# Altium PCB 10515.0501_主板(8拼版)_V1.0-20200907.PcbDoc (part 1 of 6) (continued)
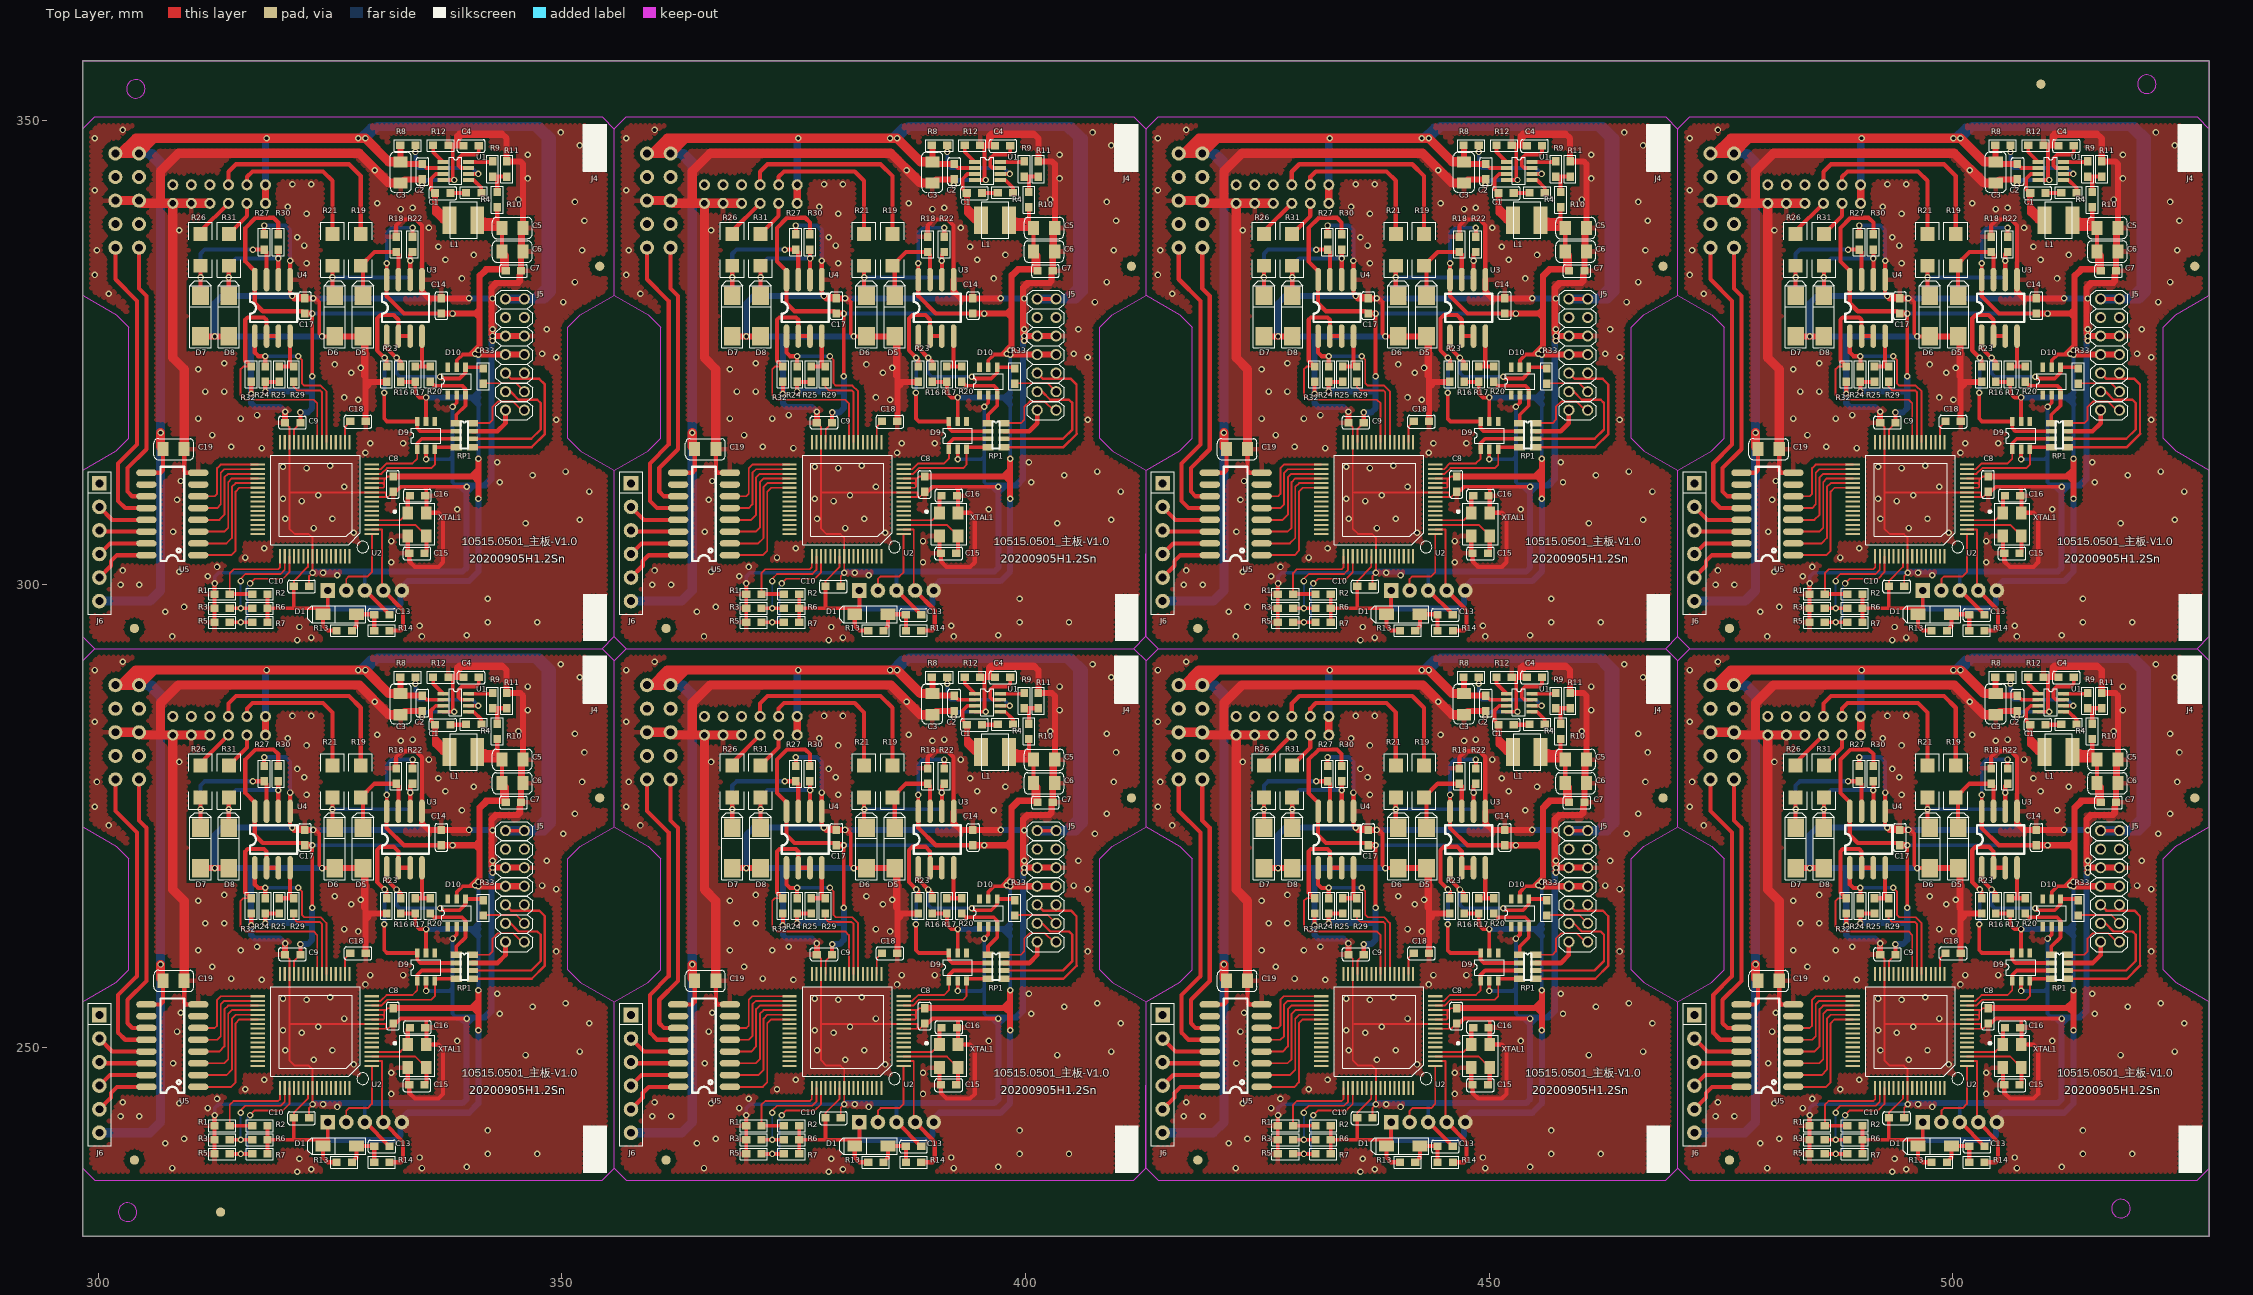
[diagram p0: Top Layer view]
## Components (designator, comment, footprint, x,y, rotation, side; value= is the part's Value field where it differs from the comment) (continued)
J6 "1X6PIN" CON/DIP/1×6PIN/2.0MM 300.101,310.89 r270 top
J6 "1X6PIN" CON/DIP/1×6PIN/2.0MM 357.451,310.89 r270 top
J6 "1X6PIN" CON/DIP/1×6PIN/2.0MM 414.801,310.89 r270 top
J6 "1X6PIN" CON/DIP/1×6PIN/2.0MM 472.151,310.89 r270 top
J6 "1X6PIN" CON/DIP/1×6PIN/2.0MM 300.101,253.54 r270 top
J6 "1X6PIN" CON/DIP/1×6PIN/2.0MM 357.451,253.54 r270 top
J6 "1X6PIN" CON/DIP/1×6PIN/2.0MM 414.801,253.54 r270 top
J6 "1X6PIN" CON/DIP/1×6PIN/2.0MM 472.151,253.54 r270 top
J7 "1X2PIN_2.54MM" CON/DIP/1×2PIN/2.54MM 353.568,295.142 r0 bottom
J7 "1X2PIN_2.54MM" CON/DIP/1×2PIN/2.54MM 410.918,295.142 r0 bottom
J7 "1X2PIN_2.54MM" CON/DIP/1×2PIN/2.54MM 468.268,295.142 r0 bottom
J7 "1X2PIN_2.54MM" CON/DIP/1×2PIN/2.54MM 525.618,295.142 r0 bottom
J7 "1X2PIN_2.54MM" CON/DIP/1×2PIN/2.54MM 353.568,237.792 r0 bottom
J7 "1X2PIN_2.54MM" CON/DIP/1×2PIN/2.54MM 410.918,237.792 r0 bottom
J7 "1X2PIN_2.54MM" CON/DIP/1×2PIN/2.54MM 468.268,237.792 r0 bottom
J7 "1X2PIN_2.54MM" CON/DIP/1×2PIN/2.54MM 525.618,237.792 r0 bottom
L1 "6.8UH" L/SMT/SWPA3015S150MT 337.693,339.211 r0 top
L1 "6.8UH" L/SMT/SWPA3015S150MT 395.043,339.211 r0 top
L1 "6.8UH" L/SMT/SWPA3015S150MT 452.393,339.211 r0 top
L1 "6.8UH" L/SMT/SWPA3015S150MT 509.743,339.211 r0 top
L1 "6.8UH" L/SMT/SWPA3015S150MT 337.693,281.861 r0 top
L1 "6.8UH" L/SMT/SWPA3015S150MT 395.043,281.861 r0 top
L1 "6.8UH" L/SMT/SWPA3015S150MT 452.393,281.861 r0 top
L1 "6.8UH" L/SMT/SWPA3015S150MT 509.743,281.861 r0 top
R1 "NC" 0603R 313.347,298.952 r0 top
R1 "NC" 0603R 370.697,298.952 r0 top
R1 "NC" 0603R 428.047,298.952 r0 top
R1 "NC" 0603R 485.397,298.952 r0 top
R1 "NC" 0603R 313.347,241.602 r0 top
R1 "NC" 0603R 370.697,241.602 r0 top
R1 "NC" 0603R 428.047,241.602 r0 top
R1 "NC" 0603R 485.397,241.602 r0 top
R2 "NC" 0603R 317.411,298.952 r0 top
R2 "NC" 0603R 374.761,298.952 r0 top
R2 "NC" 0603R 432.111,298.952 r0 top
R2 "NC" 0603R 489.461,298.952 r0 top
R2 "NC" 0603R 317.411,241.602 r0 top
R2 "NC" 0603R 374.761,241.602 r0 top
R2 "NC" 0603R 432.111,241.602 r0 top
R2 "NC" 0603R 489.461,241.602 r0 top
R3 "NC" 0603R 313.347,297.428 r0 top
R3 "NC" 0603R 370.697,297.428 r0 top
R3 "NC" 0603R 428.047,297.428 r0 top
R3 "NC" 0603R 485.397,297.428 r0 top
R3 "NC" 0603R 313.347,240.078 r0 top
R3 "NC" 0603R 370.697,240.078 r0 top
R3 "NC" 0603R 428.047,240.078 r0 top
R3 "NC" 0603R 485.397,240.078 r0 top
R4 "20R/0603" 0603R 340.487,342.259 r0 top
R4 "20R/0603" 0603R 397.837,342.259 r0 top
R4 "20R/0603" 0603R 455.187,342.259 r0 top
R4 "20R/0603" 0603R 512.537,342.259 r0 top
R4 "20R/0603" 0603R 340.487,284.909 r0 top
R4 "20R/0603" 0603R 397.837,284.909 r0 top
R4 "20R/0603" 0603R 455.187,284.909 r0 top
R4 "20R/0603" 0603R 512.537,284.909 r0 top
R5 "NC" 0603R 313.347,295.904 r0 top
R5 "NC" 0603R 370.697,295.904 r0 top
R5 "NC" 0603R 428.047,295.904 r0 top
R5 "NC" 0603R 485.397,295.904 r0 top
R5 "NC" 0603R 313.347,238.554 r0 top
R5 "NC" 0603R 370.697,238.554 r0 top
R5 "NC" 0603R 428.047,238.554 r0 top
R5 "NC" 0603R 485.397,238.554 r0 top
R6 "NC" 0603R 317.411,297.428 r0 top
R6 "NC" 0603R 374.761,297.428 r0 top
R6 "NC" 0603R 432.111,297.428 r0 top
R6 "NC" 0603R 489.461,297.428 r0 top
R6 "NC" 0603R 317.411,240.078 r0 top
R6 "NC" 0603R 374.761,240.078 r0 top
R6 "NC" 0603R 432.111,240.078 r0 top
R6 "NC" 0603R 489.461,240.078 r0 top
R7 "NC" 0603R 317.411,295.904 r0 top
R7 "NC" 0603R 374.761,295.904 r0 top
R7 "NC" 0603R 432.111,295.904 r0 top
R7 "NC" 0603R 489.461,295.904 r0 top
R7 "NC" 0603R 317.411,238.554 r0 top
R7 "NC" 0603R 374.761,238.554 r0 top
R7 "NC" 0603R 432.111,238.554 r0 top
R7 "NC" 0603R 489.461,238.554 r0 top
R8 "100K/0603" 0603R 333.375,347.339 r0 top
R8 "100K/0603" 0603R 390.725,347.339 r0 top
R8 "100K/0603" 0603R 448.075,347.339 r0 top
R8 "100K/0603" 0603R 505.425,347.339 r0 top
R8 "100K/0603" 0603R 333.375,289.989 r0 top
R8 "100K/0603" 0603R 390.725,289.989 r0 top
R8 "100K/0603" 0603R 448.075,289.989 r0 top
R8 "100K/0603" 0603R 505.425,289.989 r0 top
R9 "33K/0603" 0603R 342.519,344.799 r270 top
R9 "33K/0603" 0603R 399.869,344.799 r270 top
R9 "33K/0603" 0603R 457.219,344.799 r270 top
R9 "33K/0603" 0603R 514.569,344.799 r270 top
R9 "33K/0603" 0603R 342.519,287.449 r270 top
R9 "33K/0603" 0603R 399.869,287.449 r270 top
R9 "33K/0603" 0603R 457.219,287.449 r270 top
R9 "33K/0603" 0603R 514.569,287.449 r270 top
R10 "39K/0603" 0603R 343.027,341.497 r270 top
R10 "39K/0603" 0603R 400.377,341.497 r270 top
R10 "39K/0603" 0603R 457.727,341.497 r270 top
R10 "39K/0603" 0603R 515.077,341.497 r270 top
R10 "39K/0603" 0603R 343.027,284.147 r270 top
R10 "39K/0603" 0603R 400.377,284.147 r270 top
R10 "39K/0603" 0603R 457.727,284.147 r270 top
R10 "39K/0603" 0603R 515.077,284.147 r270 top
R11 "12K/0603" 0603R 344.043,344.799 r90 top
R11 "12K/0603" 0603R 401.393,344.799 r90 top
R11 "12K/0603" 0603R 458.743,344.799 r90 top
R11 "12K/0603" 0603R 516.093,344.799 r90 top
R11 "12K/0603" 0603R 344.043,287.449 r90 top
R11 "12K/0603" 0603R 401.393,287.449 r90 top
R11 "12K/0603" 0603R 458.743,287.449 r90 top
R11 "12K/0603" 0603R 516.093,287.449 r90 top
R12 "10K/0603" 0603R 336.931,347.339 r180 top
R12 "10K/0603" 0603R 394.281,347.339 r180 top
R12 "10K/0603" 0603R 451.631,347.339 r180 top
R12 "10K/0603" 0603R 508.981,347.339 r180 top
R12 "10K/0603" 0603R 336.931,289.989 r180 top
R12 "10K/0603" 0603R 394.281,289.989 r180 top
R12 "10K/0603" 0603R 451.631,289.989 r180 top
R12 "10K/0603" 0603R 508.981,289.989 r180 top
R13 "10K/0603" 0603R 326.517,295.015 r180 top
R13 "10K/0603" 0603R 383.867,295.015 r180 top
R13 "10K/0603" 0603R 441.217,295.015 r180 top
R13 "10K/0603" 0603R 498.567,295.015 r180 top
R13 "10K/0603" 0603R 326.517,237.665 r180 top
R13 "10K/0603" 0603R 383.867,237.665 r180 top
R13 "10K/0603" 0603R 441.217,237.665 r180 top
R13 "10K/0603" 0603R 498.567,237.665 r180 top
R14 "430R/0603" 0603R 330.581,295.015 r0 top
R14 "430R/0603" 0603R 387.931,295.015 r0 top
R14 "430R/0603" 0603R 445.281,295.015 r0 top
R14 "430R/0603" 0603R 502.631,295.015 r0 top
R14 "430R/0603" 0603R 330.581,237.665 r0 top
R14 "430R/0603" 0603R 387.931,237.665 r0 top
R14 "430R/0603" 0603R 445.281,237.665 r0 top
R14 "430R/0603" 0603R 502.631,237.665 r0 top
R16 "10K/0603" 0603R 332.613,322.663 r270 top
R16 "10K/0603" 0603R 389.963,322.663 r270 top
R16 "10K/0603" 0603R 447.313,322.663 r270 top
R16 "10K/0603" 0603R 504.663,322.663 r270 top
R16 "10K/0603" 0603R 332.613,265.313 r270 top
R16 "10K/0603" 0603R 389.963,265.313 r270 top
R16 "10K/0603" 0603R 447.313,265.313 r270 top
R16 "10K/0603" 0603R 504.663,265.313 r270 top
R17 "10K/0603" 0603R 334.179,322.663 r270 top
R17 "10K/0603" 0603R 391.529,322.663 r270 top
R17 "10K/0603" 0603R 448.879,322.663 r270 top
R17 "10K/0603" 0603R 506.229,322.663 r270 top
R17 "10K/0603" 0603R 334.179,265.313 r270 top
R17 "10K/0603" 0603R 391.529,265.313 r270 top
R17 "10K/0603" 0603R 448.879,265.313 r270 top
R17 "10K/0603" 0603R 506.229,265.313 r270 top
R18 "10K/0603" 0603R 332.105,336.671 r90 top
R18 "10K/0603" 0603R 389.455,336.671 r90 top
R18 "10K/0603" 0603R 446.805,336.671 r90 top
R18 "10K/0603" 0603R 504.155,336.671 r90 top
R18 "10K/0603" 0603R 332.105,279.321 r90 top
R18 "10K/0603" 0603R 389.455,279.321 r90 top
R18 "10K/0603" 0603R 446.805,279.321 r90 top
R18 "10K/0603" 0603R 504.155,279.321 r90 top
R19 "10R/5%/1206" 1206R 328.295,334.385 r90 top
R19 "10R/5%/1206" 1206R 385.645,334.385 r90 top
R19 "10R/5%/1206" 1206R 442.995,334.385 r90 top
R19 "10R/5%/1206" 1206R 500.345,334.385 r90 top
R19 "10R/5%/1206" 1206R 328.295,277.035 r90 top
R19 "10R/5%/1206" 1206R 385.645,277.035 r90 top
R19 "10R/5%/1206" 1206R 442.995,277.035 r90 top
R19 "10R/5%/1206" 1206R 500.345,277.035 r90 top
R20 "100R/0603" 0603R 335.788,322.663 r270 top
R20 "100R/0603" 0603R 393.138,322.663 r270 top
R20 "100R/0603" 0603R 450.488,322.663 r270 top
R20 "100R/0603" 0603R 507.838,322.663 r270 top
R20 "100R/0603" 0603R 335.788,265.313 r270 top
R20 "100R/0603" 0603R 393.138,265.313 r270 top
R20 "100R/0603" 0603R 450.488,265.313 r270 top
R20 "100R/0603" 0603R 507.838,265.313 r270 top
R21 "10R/5%/1206" 1206R 325.247,334.385 r90 top
R21 "10R/5%/1206" 1206R 382.597,334.385 r90 top
R21 "10R/5%/1206" 1206R 439.947,334.385 r90 top
R21 "10R/5%/1206" 1206R 497.297,334.385 r90 top
R21 "10R/5%/1206" 1206R 325.247,277.035 r90 top
R21 "10R/5%/1206" 1206R 382.597,277.035 r90 top
R21 "10R/5%/1206" 1206R 439.947,277.035 r90 top
R21 "10R/5%/1206" 1206R 497.297,277.035 r90 top
R22 "10K/0603" 0603R 333.883,336.671 r270 top
R22 "10K/0603" 0603R 391.233,336.671 r270 top
R22 "10K/0603" 0603R 448.583,336.671 r270 top
R22 "10K/0603" 0603R 505.933,336.671 r270 top
R22 "10K/0603" 0603R 333.883,279.321 r270 top
R22 "10K/0603" 0603R 391.233,279.321 r270 top
R22 "10K/0603" 0603R 448.583,279.321 r270 top
R22 "10K/0603" 0603R 505.933,279.321 r270 top
R23 "10K/0603" 0603R 331.089,322.663 r90 top
R23 "10K/0603" 0603R 388.439,322.663 r90 top
R23 "10K/0603" 0603R 445.789,322.663 r90 top
R23 "10K/0603" 0603R 503.139,322.663 r90 top
R23 "10K/0603" 0603R 331.089,265.313 r90 top
R23 "10K/0603" 0603R 388.439,265.313 r90 top
R23 "10K/0603" 0603R 445.789,265.313 r90 top
R23 "10K/0603" 0603R 503.139,265.313 r90 top
R24 "10K/0603" 0603R 318.008,322.663 r270 top
R24 "10K/0603" 0603R 375.358,322.663 r270 top
R24 "10K/0603" 0603R 432.708,322.663 r270 top
R24 "10K/0603" 0603R 490.058,322.663 r270 top
R24 "10K/0603" 0603R 318.008,265.313 r270 top
R24 "10K/0603" 0603R 375.358,265.313 r270 top
R24 "10K/0603" 0603R 432.708,265.313 r270 top
R24 "10K/0603" 0603R 490.058,265.313 r270 top
R25 "10K/0603" 0603R 319.532,322.663 r270 top
R25 "10K/0603" 0603R 376.882,322.663 r270 top
R25 "10K/0603" 0603R 434.232,322.663 r270 top
R25 "10K/0603" 0603R 491.582,322.663 r270 top
R25 "10K/0603" 0603R 319.532,265.313 r270 top
R25 "10K/0603" 0603R 376.882,265.313 r270 top
R25 "10K/0603" 0603R 434.232,265.313 r270 top
R25 "10K/0603" 0603R 491.582,265.313 r270 top
R26 "10R/5%/1206" 1206R 311.023,334.385 r90 top
R26 "10R/5%/1206" 1206R 368.373,334.385 r90 top
R26 "10R/5%/1206" 1206R 425.723,334.385 r90 top
R26 "10R/5%/1206" 1206R 483.073,334.385 r90 top
R26 "10R/5%/1206" 1206R 311.023,277.035 r90 top
R26 "10R/5%/1206" 1206R 368.373,277.035 r90 top
R26 "10R/5%/1206" 1206R 425.723,277.035 r90 top
R26 "10R/5%/1206" 1206R 483.073,277.035 r90 top
R27 "10K/0603" 0603R 317.881,336.925 r270 top
R27 "10K/0603" 0603R 375.231,336.925 r270 top
R27 "10K/0603" 0603R 432.581,336.925 r270 top
R27 "10K/0603" 0603R 489.931,336.925 r270 top
R27 "10K/0603" 0603R 317.881,279.575 r270 top
R27 "10K/0603" 0603R 375.231,279.575 r270 top
R27 "10K/0603" 0603R 432.581,279.575 r270 top
R27 "10K/0603" 0603R 489.931,279.575 r270 top
R29 "100R/0603" 0603R 321.056,322.663 r270 top
R29 "100R/0603" 0603R 378.406,322.663 r270 top
R29 "100R/0603" 0603R 435.756,322.663 r270 top
R29 "100R/0603" 0603R 493.106,322.663 r270 top
R29 "100R/0603" 0603R 321.056,265.313 r270 top
R29 "100R/0603" 0603R 378.406,265.313 r270 top
R29 "100R/0603" 0603R 435.756,265.313 r270 top
R29 "100R/0603" 0603R 493.106,265.313 r270 top
R30 "10K/0603" 0603R 319.405,336.925 r90 top
R30 "10K/0603" 0603R 376.755,336.925 r90 top
R30 "10K/0603" 0603R 434.105,336.925 r90 top
R30 "10K/0603" 0603R 491.455,336.925 r90 top
R30 "10K/0603" 0603R 319.405,279.575 r90 top
R30 "10K/0603" 0603R 376.755,279.575 r90 top
R30 "10K/0603" 0603R 434.105,279.575 r90 top
R30 "10K/0603" 0603R 491.455,279.575 r90 top
R31 "10R/5%/1206" 1206R 314.071,334.385 r90 top
R31 "10R/5%/1206" 1206R 371.421,334.385 r90 top
R31 "10R/5%/1206" 1206R 428.771,334.385 r90 top
R31 "10R/5%/1206" 1206R 486.121,334.385 r90 top
R31 "10R/5%/1206" 1206R 314.071,277.035 r90 top
R31 "10R/5%/1206" 1206R 371.421,277.035 r90 top
R31 "10R/5%/1206" 1206R 428.771,277.035 r90 top
R31 "10R/5%/1206" 1206R 486.121,277.035 r90 top
R32 "10K/0603" 0603R 316.484,322.663 r90 top
R32 "10K/0603" 0603R 373.834,322.663 r90 top
R32 "10K/0603" 0603R 431.184,322.663 r90 top
R32 "10K/0603" 0603R 488.534,322.663 r90 top
R32 "10K/0603" 0603R 316.484,265.313 r90 top
R32 "10K/0603" 0603R 373.834,265.313 r90 top
R32 "10K/0603" 0603R 431.184,265.313 r90 top
R32 "10K/0603" 0603R 488.534,265.313 r90 top
R33 "10R/0603" 0603R 341.503,322.447 r90 top
R33 "10R/0603" 0603R 398.853,322.447 r90 top
R33 "10R/0603" 0603R 456.203,322.447 r90 top
R33 "10R/0603" 0603R 513.553,322.447 r90 top
R33 "10R/0603" 0603R 341.503,265.097 r90 top
R33 "10R/0603" 0603R 398.853,265.097 r90 top
R33 "10R/0603" 0603R 456.203,265.097 r90 top
R33 "10R/0603" 0603R 513.553,265.097 r90 top
RP1 "10R/0603/1/8W/±5%" 0603R*4 339.471,316.097 r270 top
RP1 "10R/0603/1/8W/±5%" 0603R*4 396.821,316.097 r270 top
RP1 "10R/0603/1/8W/±5%" 0603R*4 454.171,316.097 r270 top
RP1 "10R/0603/1/8W/±5%" 0603R*4 511.521,316.097 r270 top
RP1 "10R/0603/1/8W/±5%" 0603R*4 339.471,258.747 r270 top
RP1 "10R/0603/1/8W/±5%" 0603R*4 396.821,258.747 r270 top
RP1 "10R/0603/1/8W/±5%" 0603R*4 454.171,258.747 r270 top
RP1 "10R/0603/1/8W/±5%" 0603R*4 511.521,258.747 r270 top
U1 "MPS2314/SOT23-8" TSOT-8 337.185,345.561 r0 top
U1 "MPS2314/SOT23-8" TSOT-8 394.535,345.561 r0 top
U1 "MPS2314/SOT23-8" TSOT-8 451.885,345.561 r0 top
U1 "MPS2314/SOT23-8" TSOT-8 509.235,345.561 r0 top
U1 "MPS2314/SOT23-8" TSOT-8 337.185,288.211 r0 top
U1 "MPS2314/SOT23-8" TSOT-8 394.535,288.211 r0 top
U1 "MPS2314/SOT23-8" TSOT-8 451.885,288.211 r0 top
U1 "MPS2314/SOT23-8" TSOT-8 509.235,288.211 r0 top
U2 "STM8L052R8T6/LQFP64" LQFP64 329.311,305.429 r180 top
U2 "STM8L052R8T6/LQFP64" LQFP64 386.661,305.429 r180 top
U2 "STM8L052R8T6/LQFP64" LQFP64 444.011,305.429 r180 top
U2 "STM8L052R8T6/LQFP64" LQFP64 501.361,305.429 r180 top
U2 "STM8L052R8T6/LQFP64" LQFP64 329.311,248.079 r180 top
U2 "STM8L052R8T6/LQFP64" LQFP64 386.661,248.079 r180 top
U2 "STM8L052R8T6/LQFP64" LQFP64 444.011,248.079 r180 top
U2 "STM8L052R8T6/LQFP64" LQFP64 501.361,248.079 r180 top
U3 "MS1585" SOP-8 331.089,326.765 r90 top
U3 "MS1585" SOP-8 388.439,326.765 r90 top
U3 "MS1585" SOP-8 445.789,326.765 r90 top
U3 "MS1585" SOP-8 503.139,326.765 r90 top
U3 "MS1585" SOP-8 331.089,269.415 r90 top
U3 "MS1585" SOP-8 388.439,269.415 r90 top
U3 "MS1585" SOP-8 445.789,269.415 r90 top
U3 "MS1585" SOP-8 503.139,269.415 r90 top
U4 "MS1585" SOP-8 316.865,326.765 r90 top
U4 "MS1585" SOP-8 374.215,326.765 r90 top
U4 "MS1585" SOP-8 431.565,326.765 r90 top
U4 "MS1585" SOP-8 488.915,326.765 r90 top
U4 "MS1585" SOP-8 316.865,269.415 r90 top
U4 "MS1585" SOP-8 374.215,269.415 r90 top
U4 "MS1585" SOP-8 431.565,269.415 r90 top
U4 "MS1585" SOP-8 488.915,269.415 r90 top
U5 "ULN2003ADR" SOP-16 310.769,303.143 r180 top
U5 "ULN2003ADR" SOP-16 368.119,303.143 r180 top
U5 "ULN2003ADR" SOP-16 425.469,303.143 r180 top
U5 "ULN2003ADR" SOP-16 482.819,303.143 r180 top
U5 "ULN2003ADR" SOP-16 310.769,245.793 r180 top
U5 "ULN2003ADR" SOP-16 368.119,245.793 r180 top
U5 "ULN2003ADR" SOP-16 425.469,245.793 r180 top
U5 "ULN2003ADR" SOP-16 482.819,245.793 r180 top
XTAL1 "OSC 12MHZ" OSC/SMT/12M 333.375,307.715 r0 top
XTAL1 "OSC 12MHZ" OSC/SMT/12M 390.725,307.715 r0 top
XTAL1 "OSC 12MHZ" OSC/SMT/12M 448.075,307.715 r0 top
XTAL1 "OSC 12MHZ" OSC/SMT/12M 505.425,307.715 r0 top
XTAL1 "OSC 12MHZ" OSC/SMT/12M 333.375,250.365 r0 top
XTAL1 "OSC 12MHZ" OSC/SMT/12M 390.725,250.365 r0 top
XTAL1 "OSC 12MHZ" OSC/SMT/12M 448.075,250.365 r0 top
XTAL1 "OSC 12MHZ" OSC/SMT/12M 505.425,250.365 r0 top

## Footprints (in the part's own frame and the unit in brackets; to place one, negate y for a bottom-side part, rotate by r counter-clockwise, add the part's x,y. Pads: shape width x height; smd on the part's side, far side on the other; paste and mask are expansions set on the pad)
0603R [mil]
  rect 35x32 smd: 1(-32.5,0) 2(32.5,0)
  silkscreen extent -58,-25 58,25, body extent -33,-15 30,16, height 18
0603R*4 [mm]
  rect 0.7x1.2 smd: 1(-1.3,-0.865) 4(1.3,-0.865) 5(1.3,0.865) 8(-1.3,0.865)
  rect 0.5x1.2 smd: 2(-0.4,-0.865) 3(0.4,-0.865) 6(0.4,0.865) 7(-0.4,0.865)
  silkscreen extent -1.45,-0.4 1.45,0.4
1206R [mm]
  rect 1.5x1.5 smd: 1(-0.02,0) 2(3.409,0)
  silkscreen extent -1.29,-1.27 4.68,1.27, body extent 0.13,-0.76 3.33,0.84, height 0.6
CAP/SMT/0603C [mil]
  rect 35x32 smd: 1(-1,1.97) 2(64,1.97)
  silkscreen extent -28,-24 89,30, body extent -20,-20 82,19, height 35
CAP/SMT/0805C [mm]
  rect 1.2x1.524 smd: 1(0.01,0.01) 2(2.296,0.01)
  silkscreen extent -0.99,-1.13 3.32,1.15, body extent -0.38,-0.64 2.62,0.76, height 0.93
CON/DIP/1×2PIN/2.54MM [mm]
  rect 1.27x1.27 hole 0.85: 1(0,0)
  round 1.27 hole 0.85: 2(0,-2.54)
  silkscreen extent -1.27,-3.81 1.27,1.27
CON/DIP/1×5PIN/2.0MM [mil]
  rect 62x62 hole 31.5 mask+4: 1(0,0)
  round 62 hole 31.5 mask+4: 2(78.74,0) 3(157.48,0) 4(236.22,0) 5(314.96,0)
  silkscreen extent -50,-50 360,50
CON/DIP/1×6PIN/2.0MM [mil]
  rect 62x62 hole 33.46 mask+4: 1(0,0)
  round 62 hole 33.46 mask+4: 2(100,0) 3(200,0) 4(300,0) 5(400,0) 6(500,0)
  silkscreen extent -50,-50 555,50
CON/DIP/2X5PIN/2.54MM [mil]
  round 60 hole 33.46: 1(0,0) 2(100,0) 3(0,-100) 4(100,-100) 5(0,-200) 6(100,-200) 7(0,-300) 8(100,-300) 9(0,-400) 10(100,-400)
  silkscreen extent -48,-446 149,47
CON/DIP/2X6PIN/2.0MM [mm]
  round 1.2 hole 0.7: 1(0,0) 2(2,0) 3(0,-2) 4(2,-2) 5(0,-4) 6(2,-4) 7(0,-6) 8(2,-6) 9(0,-8) 10(2,-8) 11(0,-10) 12(2,-10)
  silkscreen extent -1.45,-11.96 3.55,1.94
CON/DIP/2X7PIN/2.0MM [mm]
  round 1.2 hole 0.8: 1(0,0) 2(2.032,0) 3(0,-2) 4(2.032,-2) 5(0,-4) 6(2.032,-4) 7(0,-6) 8(2.032,-6) 9(0,-8) 10(2.032,-8) 11(0,-10) 12(2.032,-10) 13(0,-12) 14(2.032,-12)
  silkscreen extent -1.06,-13.05 2.94,0.93
D/SMT/SOD123 [mm]
  rect 2x1.8 smd: 1(0.229,0) 2(4.597,0)
  silkscreen extent -1.4,-1.14 5.84,1.14, body extent 0.51,-0.76 4.21,0.84, height 1.2
D/SMT/SOD-123 [mm]
  rect 1.6x1.2 smd: 1(-1.8,0) 2(1.8,0)
  silkscreen extent -3.43,-0.9 2.78,0.9, body extent -1.91,-0.76 1.79,0.84, height 1.2
L/SMT/SWPA3015S150MT [mm]
  rect 1.5x3 smd: 1(0.175,0.051) 2(3.175,0.051)
  silkscreen extent 0.25,-1.91 3.17,2.03
LQFP64 [mm]
  rect 1.55x0.22 smd: 1(-0.193,0.013) 2(-0.193,-0.487) 3(-0.193,-0.987) 4(-0.193,-1.487) 5(-0.193,-1.987) 6(-0.193,-2.487) 7(-0.193,-2.987) 8(-0.193,-3.487) 9(-0.193,-3.987) 10(-0.193,-4.487) 11(-0.193,-4.987) 12(-0.193,-5.487) 13(-0.193,-5.987) 14(-0.193,-6.487) 15(-0.193,-6.987) 16(-0.193,-7.487) 33(12.107,-7.487) 34(12.107,-6.987) 35(12.107,-6.487) 36(12.107,-5.987) 37(12.107,-5.487) 38(12.107,-4.987) 39(12.107,-4.487) 40(12.107,-3.987) 41(12.107,-3.487) 42(12.107,-2.987) 43(12.107,-2.487) 44(12.107,-1.987) 45(12.107,-1.487) 46(12.107,-0.987) 47(12.107,-0.487) 48(12.107,0.013)
  rect 0.22x1.55 smd: 17(2.207,-9.887) 18(2.707,-9.887) 19(3.207,-9.887) 20(3.707,-9.887) 21(4.207,-9.887) 22(4.707,-9.887) 23(5.207,-9.887) 24(5.707,-9.887) 25(6.207,-9.887) 26(6.707,-9.887) 27(7.207,-9.887) 28(7.707,-9.887) 29(8.207,-9.887) 30(8.707,-9.887) 31(9.207,-9.887) 32(9.707,-9.887) 49(9.707,2.413) 50(9.207,2.413) 51(8.707,2.413) 52(8.207,2.413) 53(7.707,2.413) 54(7.207,2.413) 55(6.707,2.413) 56(6.207,2.413) 57(5.707,2.413) 58(5.207,2.413) 59(4.707,2.413) 60(4.207,2.413) 61(3.707,2.413) 62(3.207,2.413) 63(2.707,2.413) 64(2.207,2.413)
  silkscreen extent 0.16,-8.5 10.7,2.04
OSC/SMT/12M [mm]
  rect 1.15x1.4 smd: 1(0,0) 2(0,-2.5) 3(2,-2.5) 4(2,0)
  silkscreen extent -1.52,-3.43 2.92,1.02
SOP-8 [mil]
  oval 100x24 smd: 1(0.27,-0.17) 2(0.27,-50.17) 3(0.27,-100.17) 4(0.27,-150.17) 5(240.27,-150.17) 6(240.27,-100.17) 7(240.27,-50.17) 8(240.27,-0.17)
  silkscreen extent 60,-180 180,20
SOP-16 [mm]
  oval 2.2x0.7 smd: 1(0,0) 2(0,-1.27) 3(0,-2.54) 4(0,-3.81) 5(0,-5.08) 6(0,-6.35) 7(0,-7.62) 8(0,-8.89) 9(5.588,-8.89) 10(5.588,-7.62) 11(5.588,-6.35) 12(5.588,-5.08) 13(5.588,-3.81) 14(5.588,-2.54) 15(5.588,-1.27) 16(5.588,0)
  silkscreen extent 1.52,-9.53 4.06,0.64
TSOT-6L [mm]
  rect 1x0.5 smd: 1(0,0) 2(0,-0.95) 3(0,-1.9) 4(3,-1.905) 5(3,-0.95) 6(3,0)
  silkscreen extent 0.64,-2.54 2.29,0.64
TSOT-8 [mm]
  rect 1.2x0.4 smd: 1(0,0) 2(0,-0.65) 3(0,-1.3) 4(0,-1.95) 5(2.746,-1.95) 6(2.746,-1.3) 7(2.746,-0.65) 8(2.746,0)
  silkscreen extent 0.64,-2.41 2.03,0.51

## Part data
C1 C1 C1 C1 C1 C1 C1 C1 C2 C2 C2 C2 C2 C2 C2 C2 C4 C4 C4 C4 C4 C4 C4 C4 C7 C7 C7 C7 C7 C7 C7 C7 C8 C8 C8 C8 C8 C8 C8 C8 C9 C9 C9 C9 C9 C9 C9 C9 C10 C10 C10 C10 C10 C10 C10 C10 C13 C13 C13 C13 C13 C13 C13 C13 C14 C14 C14 C14 C14 C14 C14 C14 C15 C15 C15 C15 C15 C15 C15 C15 C16 C16 C16 C16 C16 C16 C16 C16 C17 C17 C17 C17 C17 C17 C17 C17 C18 C18 C18 C18 C18 C18 C18 C18: library part CAP/CAP/SMT/0603C
C3 C3 C3 C3 C3 C3 C3 C3 C5 C5 C5 C5 C5 C5 C5 C5 C6 C6 C6 C6 C6 C6 C6 C6 C19 C19 C19 C19 C19 C19 C19 C19: library part CAP/CAP/SMT/0805C
D1 D1 D1 D1 D1 D1 D1 D1: library part D/D/SMT/1N4148/SOD-123, "VR=75V T(-65-175)P(0.5W)VF=0.6V"
D5 D5 D5 D5 D5 D5 D5 D5 D6 D6 D6 D6 D6 D6 D6 D6 D7 D7 D7 D7 D7 D7 D7 D7 D8 D8 D8 D8 D8 D8 D8 D8: library part D/TVS/SMT/SMF13CA/SOD-123
D9 D9 D9 D9 D9 D9 D9 D9 D10 D10 D10 D10 D10 D10 D10 D10: library part D/TVS/SMT/SR05-4B/SOT-363
J1 J1 J1 J1 J1 J1 J1 J1 J3 J3 J3 J3 J3 J3 J3 J3: "Connector"
J2 J2 J2 J2 J2 J2 J2 J2: library part CON/DIP/2X5PIN, "Connector"
J4 J4 J4 J4 J4 J4 J4 J4 J7 J7 J7 J7 J7 J7 J7 J7: library part CON/DIP/1X2PIN_2.54MM, "Connector"
J5 J5 J5 J5 J5 J5 J5 J5: library part CON/DIP/2X7PIN
J6 J6 J6 J6 J6 J6 J6 J6: library part CON/DIP/1X6PIN_2MM, "Connector"
L1 L1 L1 L1 L1 L1 L1 L1: library part L/L/SMT/SWPA3015S150MT, "电感3.0MM*3.0MM*1.5MM"
R1 R1 R1 R1 R1 R1 R1 R1 R2 R2 R2 R2 R2 R2 R2 R2 R3 R3 R3 R3 R3 R3 R3 R3 R4 R4 R4 R4 R4 R4 R4 R4 R5 R5 R5 R5 R5 R5 R5 R5 R6 R6 R6 R6 R6 R6 R6 R6 R7 R7 R7 R7 R7 R7 R7 R7 R8 R8 R8 R8 R8 R8 R8 R8 R9 R9 R9 R9 R9 R9 R9 R9 R10 R10 R10 R10 R10 R10 R10 R10 R11 R11 R11 R11 R11 R11 R11 R11 R12 R12 R12 R12 R12 R12 R12 R12 R13 R13 R13 R13 R13 R13 R13 R13 R14 R14 R14 R14 R14 R14 R14 R14 R33 R33 R33 R33 R33 R33 R33 R33: library part RES/RES/SMT/0603
R16 R16 R16 R16 R16 R16 R16 R16 R17 R17 R17 R17 R17 R17 R17 R17 R18 R18 R18 R18 R18 R18 R18 R18 R20 R20 R20 R20 R20 R20 R20 R20 R22 R22 R22 R22 R22 R22 R22 R22 R23 R23 R23 R23 R23 R23 R23 R23 R24 R24 R24 R24 R24 R24 R24 R24 R25 R25 R25 R25 R25 R25 R25 R25 R27 R27 R27 R27 R27 R27 R27 R27 R29 R29 R29 R29 R29 R29 R29 R29 R30 R30 R30 R30 R30 R30 R30 R30 R32 R32 R32 R32 R32 R32 R32 R32: library part Res1, "Resistor"
R19 R19 R19 R19 R19 R19 R19 R19 R21 R21 R21 R21 R21 R21 R21 R21 R26 R26 R26 R26 R26 R26 R26 R26 R31 R31 R31 R31 R31 R31 R31 R31: library part RES/RES/SMT/1206
RP1 RP1 RP1 RP1 RP1 RP1 RP1 RP1: library part "RES /PACKS/SMT/0603*4", "Isolated Resistor Network"
U1 U1 U1 U1 U1 U1 U1 U1: library part IC/POWER/SMT/MPS2314/SOT23-8
U2 U2 U2 U2 U2 U2 U2 U2: library part MCU/SMT/STM8L052R8T6/LQFP64
U3 U3 U3 U3 U3 U3 U3 U3 U4 U4 U4 U4 U4 U4 U4 U4: library part MAX487
U5 U5 U5 U5 U5 U5 U5 U5: library part IC/DRIVE/SMT/ULN2003ADR/SOIC-16, "High-Voltage, High-Current Darlington Array"
XTAL1 XTAL1 XTAL1 XTAL1 XTAL1 XTAL1 XTAL1 XTAL1: library part XTAL/SMT/OSC12MHZ-2

## Free pads (board coordinates)
  round 2 on Top Solder: 0(303.886,237.894) 0(303.886,295.244) 0(313.182,232.283) 0(354.076,276.959) 0(354.076,334.309) 0(361.236,237.894) 0(361.236,295.244) 0(411.426,276.959) 0(411.426,334.309) 0(418.586,237.894) 0(418.586,295.244) 0(468.776,276.959) 0(468.776,334.309) 0(475.936,237.894) 0(475.936,295.244) 0(509.524,353.949) 0(526.126,276.959) 0(526.126,334.309)
  round 1 all layers, no hole: 0(303.886,237.894) 0(303.886,295.244) 0(313.182,232.283) 0(354.076,276.959) 0(354.076,334.309) 0(361.236,237.894) 0(361.236,295.244) 0(411.426,276.959) 0(411.426,334.309) 0(418.586,237.894) 0(418.586,295.244) 0(468.776,276.959) 0(468.776,334.309) 0(475.936,237.894) 0(475.936,295.244) 0(509.524,353.949) 0(526.126,276.959) 0(526.126,334.309)
  round 2 on Bottom Solder: 0(303.886,237.894) 0(303.886,295.244) 0(313.182,232.283) 0(354.076,276.959) 0(354.076,334.309) 0(361.236,237.894) 0(361.236,295.244) 0(411.426,276.959) 0(411.426,334.309) 0(418.586,237.894) 0(418.586,295.244) 0(468.776,276.959) 0(468.776,334.309) 0(475.936,237.894) 0(475.936,295.244) 0(509.524,353.949) 0(526.126,276.959) 0(526.126,334.309)

## Via types
v1: diameter 0.7, hole 0.4, Top Layer to Bottom Layer, tented both sides, 1248 vias

## Nets (pads, with @x,y where several pads share a name; then routed paths per layer and width w, separated by ;. In a path a pad name is that pad's centre, name@x,y a point inside that pad or via, vN(x,y) a via of type N, cw(c..) or ccw(c..) an arc to the next point about the centre after c; other vN are vias at no path point)
pads on no net: C1.1 C1.2 C2.1 C2.2 C3.1 C3.2 C4.1 C4.2 C5.1 C5.2 C6.1 C6.2 C7.1 C7.2 C8.1 C8.2 C9.1 C9.2 C10.1 C10.2 C13.1 C13.2 C14.1 C14.2 C15.1 C15.2 C16.1 C16.2 C17.1 C17.2 C18.1 C18.2 C19.1 C19.2 D1.1 D1.2 D5.1 D5.2 D6.1 D6.2 D7.1 D7.2 D8.1 D8.2 D9.1 D9.2 D9.3 D9.4 D9.5 D9.6 D10.1 D10.2 D10.3 D10.4 D10.5 D10.6 J1.1 J1.2 J1.3 J1.4 J1.5 J2.1 J2.2 J2.3 J2.4 J2.5 J2.6 J2.7 J2.8 J2.9 J2.10 J3.1 J3.2 J3.3 J3.4 J3.5 J3.6 J3.7 J3.8 J3.9 J3.10 J3.11 J3.12 J4.1 J4.2 J5.1 J5.2 J5.3 J5.4 J5.5 J5.6 J5.7 J5.8 J5.9 J5.10 J5.11 J5.12 J5.13 J5.14 J6.1 J6.2 J6.3 J6.4 J6.5 J6.6 J7.1 J7.2 L1.1 L1.2 R1.1 R1.2 R2.1 R2.2 R3.1 R3.2 R4.1 R4.2 R5.1 R5.2 R6.1 R6.2 R7.1 R7.2 R8.1 R8.2 R9.1 R9.2 R10.1 R10.2 R11.1 R11.2 R12.1 R12.2 R13.1 R13.2 R14.1 R14.2 R16.1 R16.2 R17.1 R17.2 R18.1 R18.2 R19.1 R19.2 R20.1 R20.2 R21.1 R21.2 R22.1 R22.2 R23.1 R23.2 R24.1 R24.2 R25.1 R25.2 R26.1 R26.2 R27.1 R27.2 R29.1 R29.2 R30.1 R30.2 R31.1 R31.2 R32.1 R32.2 R33.1 R33.2 RP1.1 RP1.2 RP1.3 RP1.4 RP1.5 RP1.6 RP1.7 RP1.8 U1.1 U1.2 U1.3 U1.4 U1.5 U1.6 U1.7 U1.8 U2.1 U2.2 U2.3 U2.4 U2.5 U2.6 U2.7 U2.8 U2.9 U2.10 U2.11 U2.12 U2.13 U2.14 U2.15 U2.16 U2.17 U2.18 U2.19 U2.20 U2.21 U2.22 U2.23 U2.24 U2.25 U2.26 U2.27 U2.28 U2.29 U2.30 U2.31 U2.32 U2.33 U2.34 U2.35 U2.36 U2.37 U2.38 U2.39 U2.40 U2.41 U2.42 U2.43 U2.44 U2.45 U2.46 U2.47 U2.48 U2.49 U2.50 U2.51 U2.52 U2.53 U2.54 U2.55 U2.56 U2.57 U2.58 U2.59 U2.60 U2.61 U2.62 U2.63 U2.64 U3.1 U3.2 U3.3 U3.4 U3.5 U3.6 U3.7 U3.8 U4.1 U4.2 U4.3 U4.4 U4.5 U4.6 U4.7 U4.8 U5.1 U5.2 U5.3 U5.4 U5.5 U5.6 U5.7 U5.8 U5.9 U5.10 U5.11 U5.12 U5.13 U5.14 U5.15 U5.16 XTAL1.1 XTAL1.2 XTAL1.3 XTAL1.4